# Altium PCB oxo.pcbdoc (part 3 of 3)
Units mm, origin at the board's own origin, x right, y up, seen from the top; angles counter-clockwise.
Board outline 198.24 x 185.82 mm, 6 copper layers (Top Layer, Inner1, Inner2, Inner3, 内层4, Bottom Layer); 54 components, 121 nets, 696 pads, 616 vias.
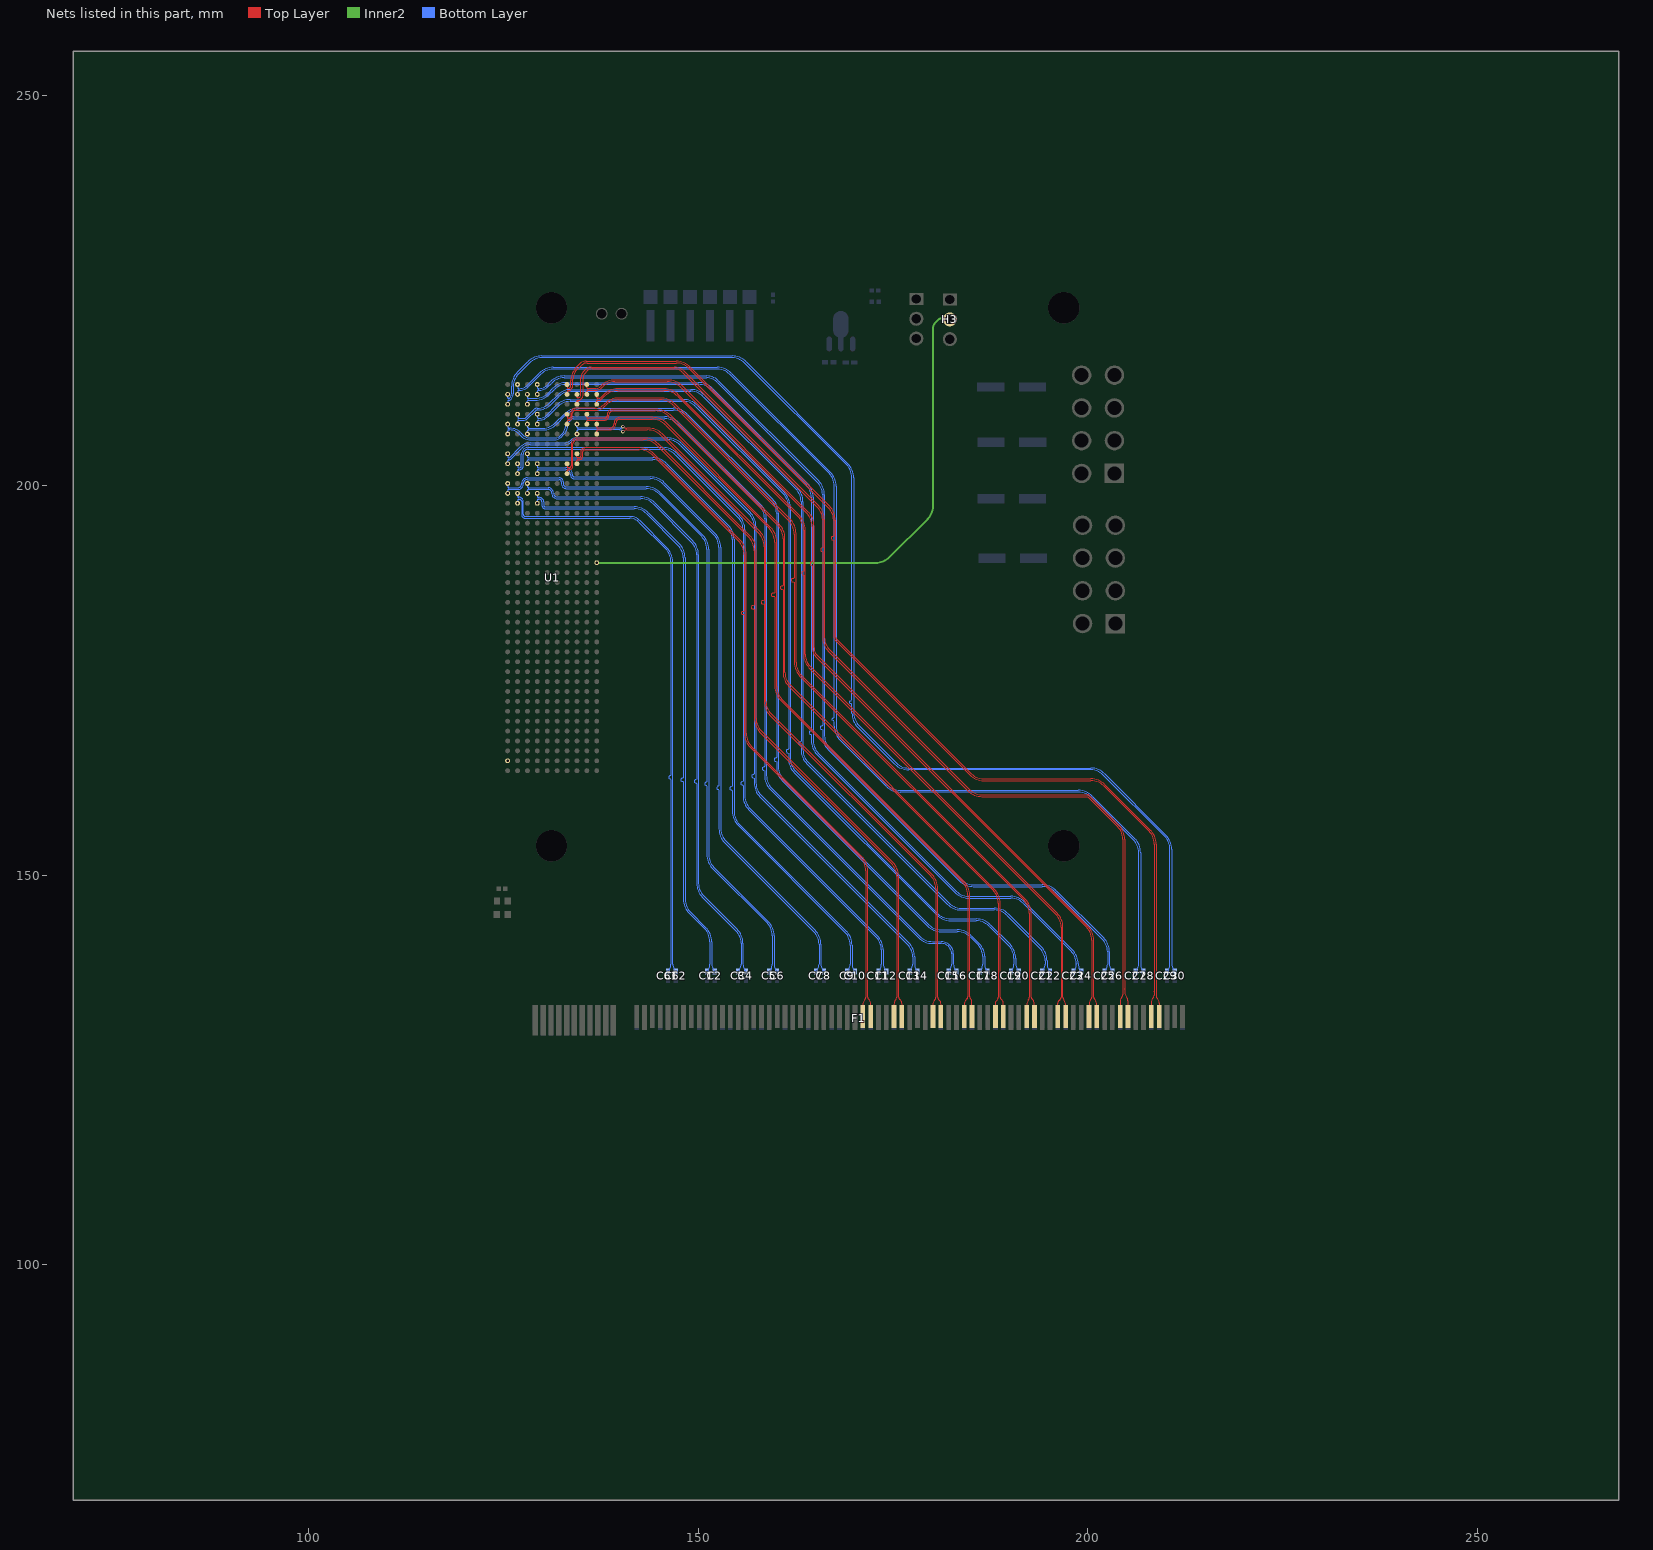
[diagram p7: the nets of this part, all layers, seen from the top]

## Via types
v1: diameter 0.45, hole 0.3, Top Layer to Bottom Layer, 616 vias

## Nets (pads, with @x,y where several pads share a name; then routed paths per layer and width w, separated by ;. In a path a pad name is that pad's centre, name@x,y a point inside that pad or via, vN(x,y) a via of type N, cw(c..) or ccw(c..) an arc to the next point about the centre after c; other vN are vias at no path point) (continued)
RX6+: F1.B41 U1.C9 | length 93.5
  Top Layer w0.132: U1.C9@134.462,202.762 134.462,203.121 cw(c134.621,203.121) 134.508,203.234 cw(c134.621,203.121) 134.621,203.28 134.744,203.28 ccw(c134.744,203.72) 135.184,203.72 135.184,204.266 cw(c135.463,204.266) 135.463,204.545 142.444,204.545 cw(c142.444,202.005) 144.24,203.801 155.181,192.86 cw(c153.385,191.064) 155.925,191.064 155.925,183.898 155.832,183.804 155.657,183.804 155.564,183.711 155.564,183.517 155.657,183.423 155.832,183.423 155.925,183.33 155.925,168.175 ccw(c158.465,168.175) 156.669,166.379 170.834,152.214 cw(c169.204,150.583) 171.51,150.583 171.51,134.348 cw(c171.042,134.348) 171.391,134.036 ccw(c172.224,133.291) 171.186,133.706 ccw(c172.139,133.325) F1.B41@171.119,133.216
RX6-: F1.B42 U1.C8 | length 93.4
  Top Layer w0.132: U1.C8@134.462,204.032 134.462,203.673 ccw(c134.621,203.673) 134.508,203.561 ccw(c134.621,203.673) 134.621,203.514 134.744,203.514 ccw(c134.744,203.72) 134.95,203.72 134.95,204.266 cw(c135.463,204.266) 135.463,204.779 142.541,204.779 cw(c142.541,202.239) 144.337,204.035 155.415,192.957 cw(c153.619,191.16) 156.159,191.16 156.159,168.175 ccw(c158.465,168.175) 156.835,166.544 171,152.379 cw(c169.204,150.583) 171.744,150.583 171.744,134.348 ccw(c172.092,134.348) 171.871,134.078 cw(c171.452,133.567) 172.089,133.745 cw(c170.477,133.294) F1.B42@172.151,133.295
RX7+: F1.B45 U1.D10 | length 100.5
  Top Layer w0.132: U1.D10@133.201,201.492 133.201,201.851 cw(c133.36,201.851) 133.248,201.964 cw(c133.36,201.851) 133.36,202.01 133.472,202.01 ccw(c133.472,202.477) 133.939,202.477 133.939,205.309 cw(c134.445,205.309) 134.445,205.815 142.97,205.815 cw(c142.97,203.275) 144.766,205.071 156.451,193.386 cw(c154.655,191.59) 157.195,191.59 157.195,184.631 157.102,184.537 156.889,184.537 156.796,184.444 156.796,184.25 156.889,184.156 157.102,184.156 157.195,184.063 157.195,170.146 ccw(c159.735,170.146) 157.939,168.35 174.796,151.494 cw(c173.165,149.863) 175.471,149.863 175.471,134.357 cw(c174.894,134.357) 175.337,133.987 ccw(c176.063,133.382) F1.B45@175.126,133.258
RX7-: F1.B46 U1.D9 | length 100.3
  Top Layer w0.132: U1.D9@133.192,202.762 133.192,202.419 ccw(c133.367,202.419) 133.243,202.295 ccw(c133.367,202.419) 133.367,202.244 133.472,202.244 ccw(c133.472,202.477) 133.705,202.477 133.705,205.309 cw(c134.445,205.309) 134.445,206.049 143.067,206.049 cw(c143.067,203.509) 144.863,205.305 156.685,193.483 cw(c154.889,191.687) 157.429,191.687 157.429,170.146 ccw(c159.735,170.146) 158.105,168.515 174.961,151.659 cw(c173.165,149.863) 175.705,149.863 175.705,134.357 ccw(c176.053,134.357) 175.812,134.106 ccw(c177.522,135.882) 175.93,133.999 cw(c175.539,133.535) 176.136,133.643 cw(c174.92,133.424) F1.B46@176.144,133.261
RX8+: F1.B50 U1.C6 | length 99.6
  Top Layer w0.132: v1(140.36,206.887) 140.366,206.892 cw(c140.843,206.415) 140.843,207.09 143.498,207.09 cw(c143.498,204.55) 145.294,206.346 157.726,193.914 cw(c155.93,192.118) 158.47,192.118 158.47,185.276 158.377,185.183 158.18,185.183 158.086,185.089 158.086,184.895 158.18,184.802 158.377,184.802 158.47,184.708 158.47,172.32 ccw(c161.01,172.32) 159.214,170.524 179.825,149.914 cw(c178.194,148.283) 180.5,148.283 180.5,134.341 cw(c180.041,134.341) 180.43,134.097 cw(c179.272,134.822) 180.291,133.912 ccw(c180.902,133.368) F1.B50@180.095,133.235
  Bottom Layer w0.132: v1(134.462,206.572) 134.462,206.931 cw(c134.621,206.931) 134.508,207.044 cw(c134.621,206.931) 134.621,207.09 139.927,207.09 ; 139.928,207.09 cw(c139.928,206.538) 140.319,206.928 v1(140.36,206.887)
RX8-: F1.B51 U1.C5 | length 99.6
  Top Layer w0.132: v1(140.36,207.527) 140.366,207.521 ccw(c140.843,207.998) 140.843,207.324 143.595,207.324 cw(c143.595,204.784) 145.391,206.58 157.96,194.011 cw(c156.164,192.215) 158.704,192.215 158.704,172.32 ccw(c161.01,172.32) 159.38,170.689 179.99,150.079 cw(c178.194,148.283) 180.734,148.283 180.734,134.341 ccw(c181.16,134.341) 180.858,134.039 ccw(c189.248,142.425) 181.018,133.883 cw(c180.739,133.595) 181.136,133.652 cw(c178.372,133.253) F1.B51@181.162,133.134
  Bottom Layer w0.132: v1(134.462,207.842) 134.462,207.483 ccw(c134.621,207.483) 134.508,207.371 ccw(c134.621,207.483) 134.621,207.324 140.024,207.324 ; 140.025,207.324 ccw(c140.025,207.642) 140.25,207.417 v1(140.36,207.527)
RX9+: F1.B54 U1.A6 | length 101.3
  Top Layer w0.132: U1.A6@137.002,206.577 137.002,206.933 cw(c137.161,206.933) 137.048,207.046 cw(c137.161,206.933) 137.161,207.093 138.636,207.093 ccw(c138.636,207.928) 139.471,207.928 139.471,207.973 cw(c139.96,207.973) 139.96,208.462 144.066,208.462 cw(c144.066,205.922) 145.862,207.718 159.098,194.482 cw(c157.302,192.686) 159.842,192.686 159.842,186.215 159.749,186.121 159.5,186.121 159.406,186.028 159.406,185.834 159.5,185.74 159.749,185.74 159.842,185.647 159.842,174.202 ccw(c162.382,174.202) 160.586,172.406 183.93,149.061 cw(c182.299,147.431) 184.606,147.431 184.606,134.366 cw(c184.331,134.366) 184.483,134.137 ccw(c184.865,133.563) 184.207,133.771 ccw(c185.534,133.351) F1.B54@184.149,133.214
RX9-: F1.B55 U1.A5 | length 101.4
  Top Layer w0.131: F1.B55@185.168,132.856 F1.B55@185.168,133.241
  Top Layer w0.132: U1.A5@137.002,207.842 137.002,207.486 ccw(c137.161,207.486) 137.048,207.373 ccw(c137.161,207.486) 137.161,207.326 138.636,207.326 ccw(c138.636,207.928) 139.238,207.928 139.238,207.973 cw(c139.96,207.973) 139.96,208.695 144.163,208.695 cw(c144.163,206.155) 145.959,207.951 159.332,194.579 cw(c157.536,192.783) 160.076,192.783 160.076,174.202 ccw(c162.382,174.202) 160.751,172.571 184.095,149.227 cw(c182.299,147.431) 184.839,147.431 184.839,134.366 ccw(c185.079,134.366) 184.915,134.191 cw(c184.521,133.772) 185.09,133.854 cw(c179.746,133.086) F1.B55@185.144,133.181
RX10+: F1.B58 U1.B5 | length 105.3
  Top Layer w0.132: U1.B5@135.732,207.842 135.732,208.201 cw(c135.891,208.201) 135.778,208.314 cw(c135.891,208.201) 135.891,208.36 138.003,208.36 ccw(c138.003,208.919) 138.562,208.919 138.562,208.968 cw(c139.117,208.968) 139.117,209.523 144.506,209.523 cw(c144.506,206.983) 146.302,208.779 160.16,194.922 cw(c158.364,193.126) 160.904,193.126 160.904,187.153 160.81,187.06 160.643,187.06 160.55,186.967 160.55,186.772 160.643,186.679 160.81,186.679 160.904,186.586 160.904,176.021 ccw(c163.444,176.021) 161.648,174.225 187.833,148.039 cw(c186.202,146.409) 188.509,146.409 188.509,134.319 cw(c188.099,134.319) 188.424,134.07 cw(c184.425,137.128) 188.254,133.859 ccw(c188.778,133.412) F1.B58@188.132,133.171
RX10-: F1.B59 U1.B4 | length 105.1
  Top Layer w0.132: U1.B4@135.732,209.112 135.732,208.753 ccw(c135.891,208.753) 135.778,208.641 ccw(c135.891,208.753) 135.891,208.594 138.003,208.594 ccw(c138.003,208.919) 138.328,208.919 138.328,208.968 cw(c139.117,208.968) 139.117,209.757 144.603,209.757 cw(c144.603,207.217) 146.399,209.013 160.393,195.019 cw(c158.597,193.223) 161.137,193.223 161.137,176.021 ccw(c163.444,176.021) 161.813,174.39 187.998,148.205 cw(c186.202,146.409) 188.742,146.409 188.742,134.319 ccw(c189.015,134.319) 188.832,134.117 cw(c187.716,132.876) 189.02,133.917 cw(c188.564,133.553) 189.148,133.561 cw(c183.809,133.488) F1.B59@189.142,133.228
RX11+: F1.B62 U1.D5 | length 111.9
  Top Layer w0.132: U1.D5@133.192,207.842 133.192,208.201 cw(c133.351,208.201) 133.238,208.314 cw(c133.351,208.201) 133.351,208.36 133.463,208.36 ccw(c133.463,208.786) 133.888,208.786 133.888,209.247 cw(c134.266,209.247) 134.266,209.625 136.825,209.625 ccw(c136.825,211.34) 138.038,210.127 138.181,210.27 cw(c139.812,208.639) 139.812,210.946 145.095,210.946 cw(c145.095,208.406) 146.891,210.202 161.582,195.511 cw(c159.786,193.715) 162.326,193.715 162.326,188.121 162.233,188.028 162.022,188.028 161.929,187.934 161.929,187.74 162.022,187.647 162.233,187.647 162.326,187.553 162.326,177.285 ccw(c164.866,177.285) 163.07,175.489 191.807,146.752 cw(c190.176,145.122) 192.482,145.122 192.482,134.362 cw(c191.861,134.362) 192.359,133.991 ccw(c193.342,133.261) F1.B62@192.119,133.196
RX11-: F1.B63 U1.D4 | length 111.8
  Top Layer w0.132: U1.D4@133.192,209.112 133.192,208.753 ccw(c133.351,208.753) 133.238,208.641 ccw(c133.351,208.753) 133.351,208.594 133.463,208.594 ccw(c133.463,208.786) 133.655,208.786 133.655,209.247 cw(c134.266,209.247) 134.266,209.859 136.825,209.859 ccw(c136.825,211.34) 137.873,210.293 138.016,210.435 cw(c139.812,208.639) 139.812,211.179 145.192,211.179 cw(c145.192,208.639) 146.988,210.435 161.816,195.608 cw(c160.02,193.812) 162.56,193.812 162.56,177.285 ccw(c164.866,177.285) 163.235,175.654 191.972,146.918 cw(c190.176,145.122) 192.716,145.122 192.716,134.362 ccw(c193.103,134.362) 192.892,134.038 cw(c192.688,133.725) 193.048,133.824 cw(c191.274,133.338) F1.B63@193.1,133.118
RX12+: F1.B66 U1.A3 | length 110.1
  Top Layer w0.132: U1.A3@137.002,210.382 137.002,210.741 cw(c137.161,210.741) 137.048,210.854 cw(c137.161,210.741) 137.161,210.9 137.251,210.9 ccw(c137.251,211.479) 137.66,211.07 138.054,211.464 cw(c139.685,209.833) 139.685,212.14 145.59,212.14 cw(c145.59,209.6) 147.386,211.396 162.776,196.006 cw(c160.98,194.209) 163.52,194.209 163.52,189.001 163.427,188.908 163.359,188.908 163.266,188.814 163.266,188.62 163.359,188.527 163.427,188.527 163.52,188.433 163.52,178.308 ccw(c165.911,178.308) 164.22,176.618 195.884,144.954 cw(c194.253,143.323) 196.56,143.323 196.56,134.336 cw(c196.175,134.336) 196.497,134.125 cw(c195.901,134.516) 196.391,133.999 ccw(c196.636,133.692) 196.359,133.97 cw(c195.901,134.516) 196.331,133.948 ccw(c196.645,133.533) 196.124,133.539 cw(c191.528,133.593) F1.B66@196.109,133.213
RX12-: F1.B67 U1.A2 | length 110.1
  Top Layer w0.132: U1.A2@137.002,211.652 137.002,211.293 ccw(c137.161,211.293) 137.048,211.181 ccw(c137.161,211.293) 137.161,211.134 137.251,211.134 ccw(c137.251,211.479) 137.495,211.235 137.889,211.629 cw(c139.685,209.833) 139.685,212.373 145.687,212.373 cw(c145.687,209.833) 147.483,211.629 163.01,196.102 cw(c161.214,194.306) 163.754,194.306 163.754,178.308 ccw(c165.911,178.308) 164.386,176.783 196.049,145.119 cw(c194.253,143.323) 196.793,143.323 196.793,134.336 ccw(c197.185,134.336) 196.874,134.098 cw(c195.784,133.262) F1.B67@197.158,133.256
RX13+: F1.B70 U1.B2 | length 114.3
  Top Layer w0.132: U1.B2@135.732,211.652 135.732,212.011 cw(c135.891,212.011) 135.778,212.124 cw(c135.891,212.011) 135.891,212.17 136.854,212.17 ccw(c136.854,213.279) 137.638,212.495 137.746,212.603 cw(c139.324,211.025) 139.324,213.257 146.053,213.257 cw(c146.053,210.717) 147.849,212.513 163.894,196.468 cw(c162.098,194.672) 164.638,194.672 164.638,190.233 164.544,190.14 164.477,190.14 164.384,190.046 164.384,189.852 164.477,189.759 164.544,189.759 164.638,189.665 164.638,179.127 ccw(c166.211,179.127) 165.098,178.015 199.83,143.283 cw(c198.199,141.652) 200.506,141.652 200.506,134.356 cw(c200.14,134.356) 200.411,134.11 ccw(c201.179,133.412) F1.B70@200.156,133.236
RX13-: F1.B71 U1.B1 | length 114.4
  Top Layer w0.132: U1.B1@135.732,212.922 135.732,212.563 ccw(c135.891,212.563) 135.778,212.451 ccw(c135.891,212.563) 135.891,212.404 136.854,212.404 ccw(c136.854,213.279) 137.472,212.66 137.581,212.769 cw(c139.324,211.025) 139.324,213.491 146.15,213.491 cw(c146.15,210.951) 147.946,212.747 164.127,196.565 cw(c162.331,194.769) 164.871,194.769 164.871,179.127 ccw(c166.211,179.127) 165.264,178.18 199.995,143.448 cw(c198.199,141.652) 200.739,141.652 200.739,134.356 ccw(c201.048,134.356) 200.814,134.155 cw(c199.848,133.324) F1.B71@201.117,133.209
RX14+: F1.B74 U1.C3 | length 131.8
  Top Layer w0.132: U1.C3@134.462,210.382 134.462,210.704 cw(c134.618,210.704) 134.618,210.86 ccw(c134.618,211.275) 134.911,210.981 135.084,211.154 ccw(c134.68,211.557) 135.251,211.557 135.251,213.7 cw(c136.324,213.7) 135.565,214.459 135.738,214.632 cw(c136.407,213.963) 136.407,214.909 136.733,214.909 ccw(c136.733,214.924) 136.743,214.914 cw(c136.754,214.903) 136.754,214.918 146.972,214.918 cw(c146.972,213.511) 147.967,214.506 165.29,197.182 cw(c163.659,195.552) 165.966,195.552 165.966,192.01 165.872,191.917 165.805,191.917 165.712,191.823 165.712,191.629 165.805,191.536 165.872,191.536 165.966,191.442 165.966,180.52 ccw(c168.506,180.52) 166.71,178.724 184.614,160.819 ccw(c186.41,162.615) 186.41,160.075 199.953,160.075 203.802,156.227 cw(c202.171,154.596) 204.477,154.596 204.477,135.314 ccw(c204.493,135.314) 204.482,135.303 cw(c204.47,135.292) 204.486,135.292 204.486,135.175 cw(c204.466,135.175) 204.48,135.16 ccw(c204.495,135.145) 204.474,135.145 204.474,134.65 cw(c203.997,134.65) 204.334,134.312 ccw(c204.814,133.833) 204.136,133.833 F1.B74@204.136,131.858
RX14-: F1.B75 U1.C2 | length 131.8
  Top Layer w0.132: U1.C2@134.462,211.652 134.462,211.349 ccw(c134.607,211.349) 134.607,211.204 ccw(c134.607,211.463) 134.791,211.28 134.822,211.311 ccw(c134.433,211.701) 134.983,211.701 134.983,213.816 cw(c135.996,213.816) 135.28,214.532 135.618,214.87 cw(c136.318,214.169) 136.318,215.16 136.733,215.16 cw(c136.733,215.146) 136.743,215.156 ccw(c136.754,215.166) 136.754,215.152 146.972,215.152 cw(c146.972,213.511) 148.132,214.671 165.456,197.348 cw(c163.659,195.552) 166.199,195.552 166.199,180.52 ccw(c168.506,180.52) 166.875,178.889 184.78,160.985 ccw(c186.41,162.615) 186.41,160.309 199.976,160.309 cw(c199.976,160.131) 200.102,160.257 203.967,156.392 cw(c202.171,154.596) 204.711,154.596 204.711,135.411 ccw(c204.727,135.411) 204.715,135.4 cw(c204.704,135.389) 204.72,135.389 204.72,135.175 ccw(c204.741,135.175) 204.726,135.16 cw(c204.711,135.145) 204.732,135.145 204.732,134.888 ccw(c205.576,134.888) 204.98,134.291 cw(c204.602,133.914) 205.136,133.914 F1.B75@205.136,131.858
RX15+: F1.B78 U1.D2 | length 135.7
  Top Layer w0.132: U1.D2@133.192,211.652 133.192,211.927 cw(c133.39,211.927) 133.39,212.125 133.411,212.125 133.427,212.141 133.433,212.135 ccw(c133.433,212.358) 133.59,212.201 133.818,212.429 ccw(c133.49,212.758) 133.955,212.758 133.955,213.619 cw(c135.633,213.619) 133.988,213.952 cw(c136.224,213.385) 134.205,214.501 cw(c135.633,213.619) 134.446,214.806 134.987,215.346 cw(c135.765,214.567) 135.765,215.669 136.599,215.669 ccw(c136.599,215.677) 136.605,215.671 cw(c136.611,215.665) 136.611,215.674 147.194,215.674 cw(c147.194,213.367) 148.825,214.998 166.699,197.124 cw(c165.068,195.493) 167.374,195.493 167.374,193.51 167.281,193.417 167.16,193.417 167.067,193.323 167.067,193.129 167.16,193.036 167.281,193.036 167.374,192.942 167.374,180.676 ccw(c168.23,180.676) 167.625,180.071 184.846,162.85 ccw(c186.642,164.646) 186.642,162.106 200.388,162.106 cw(c200.388,159.8) 202.019,161.431 207.836,155.613 cw(c206.205,153.982) 208.512,153.982 208.512,135.087 cw(c208.488,135.087) 208.505,135.071 ccw(c208.521,135.054) 208.498,135.054 208.498,134.608 cw(c207.911,134.608) 208.326,134.193 ccw(c208.786,133.734) 208.136,133.734 F1.B78@208.136,131.858
RX15-: F1.B79 U1.D1 | length 135.7
  Top Layer w0.132: U1.D1@133.192,212.922 133.192,212.631 ccw(c133.39,212.631) 133.39,212.433 ccw(c133.39,212.653) 133.545,212.497 133.592,212.545 ccw(c133.372,212.765) 133.684,212.765 133.684,213.385 cw(c136.224,213.385) 134.428,215.181 134.423,215.186 134.796,215.559 134.8,215.554 cw(c135.666,214.689) 135.666,215.912 136.599,215.912 cw(c136.599,215.904) 136.605,215.91 ccw(c136.611,215.916) 136.611,215.907 147.194,215.907 cw(c147.194,213.367) 148.99,215.163 166.864,197.289 cw(c165.068,195.493) 167.608,195.493 167.608,180.676 ccw(c168.23,180.676) 167.79,180.236 185.011,163.016 ccw(c186.642,164.646) 186.642,162.34 200.388,162.34 cw(c200.388,159.8) 202.184,161.596 208.001,155.778 cw(c206.205,153.982) 208.745,153.982 208.745,134.993 cw(c208.709,134.993) 208.735,134.967 208.735,134.548 ccw(c209.175,134.548) 208.864,134.236 cw(c208.207,133.579) 209.136,133.579 F1.B79@209.136,131.858
SXM_PRSNT2: U1.K39
  other v1: 125.572,164.662
THERM_OVER#: H3.2 U1.A19 | length 72.3
  Inner2 w0.254: v1@136.967,190.02 172.739,190.02 ccw(c172.739,192.56) 174.535,190.764 179.429,195.658 ccw(c177.759,197.328) 180.121,197.328 180.121,220.136 cw(c181.129,220.136) 180.416,220.849 180.773,221.206 cw(c181.214,220.765) 181.214,221.388 H3.2@182.391,221.388
  other v1: 137.002,190.062
TX0+: C61.2 U1.J13 | length 77.9
  Bottom Layer w0.132: v1(126.842,197.682) 126.842,198.041 cw(c127.001,198.041) 126.888,198.154 cw(c127.001,198.041) 127.001,198.2 127.114,198.2 cw(c127.114,197.958) 127.356,197.958 127.356,196.264 ccw(c127.865,196.264) 127.865,195.755 141.249,195.755 cw(c141.249,194.137) 142.393,195.281 145.847,191.827 cw(c144.216,190.197) 146.522,190.197 146.522,162.824 146.429,162.731 146.362,162.731 146.268,162.637 146.268,162.443 146.362,162.35 146.429,162.35 146.522,162.256 146.522,138.583 cw(c145.206,138.583) C61.2@146.137,137.652
TX0-: C62.2 U1.J12 | length 78
  Bottom Layer w0.131: v1(126.842,198.952) cw(c126.842,198.928) v1@126.859,198.945
  Bottom Layer w0.132: v1(126.842,198.952) 126.842,198.593 ccw(c127.001,198.593) 126.888,198.481 ccw(c127.001,198.593) 127.001,198.434 127.114,198.434 cw(c127.114,197.958) 127.59,197.958 127.59,196.264 ccw(c127.865,196.264) 127.865,195.989 141.249,195.989 cw(c141.249,194.137) 142.558,195.447 146.012,191.993 cw(c144.216,190.197) 146.756,190.197 146.756,138.583 ccw(c148.073,138.583) C62.2@147.142,137.652
TX1+: C1.2 U1.G13 | length 77.7
  Bottom Layer w0.132: v1(129.382,197.682) 129.382,198.041 cw(c129.541,198.041) 129.428,198.154 cw(c129.541,198.041) 129.541,198.2 129.656,198.2 cw(c129.656,197.889) 129.968,197.889 129.968,197.416 ccw(c130.39,197.416) 130.39,196.994 141.795,196.994 cw(c141.795,194.687) 143.426,196.318 147.421,192.323 cw(c145.79,190.693) 148.096,190.693 148.096,162.511 148.003,162.417 147.9,162.417 147.807,162.324 147.807,162.13 147.9,162.036 148.003,162.036 148.096,161.943 148.096,146.912 ccw(c150.636,146.912) 148.84,145.116 150.845,143.111 cw(c149.214,141.48) 151.521,141.48 151.521,138.576 cw(c150.215,138.576) C1.2@151.138,137.652
TX1-: C2.2 U1.G12 | length 77.7
  Bottom Layer w0.132: v1(129.382,198.952) 129.382,198.593 ccw(c129.541,198.593) 129.428,198.481 ccw(c129.541,198.593) 129.541,198.434 129.656,198.434 cw(c129.656,197.889) 130.201,197.889 130.201,197.416 ccw(c130.39,197.416) 130.39,197.227 141.795,197.227 cw(c141.795,194.687) 143.591,196.484 147.586,192.489 cw(c145.79,190.693) 148.33,190.693 148.33,146.912 ccw(c150.636,146.912) 149.005,145.281 151.01,143.276 cw(c149.214,141.48) 151.754,141.48 151.754,138.576 ccw(c153.06,138.576) C2.2@152.137,137.652
TX2+: C3.2 U1.H12 | length 82.3
  Bottom Layer w0.132: v1(128.112,198.952) 128.112,199.311 cw(c128.271,199.311) 128.158,199.424 cw(c128.271,199.311) 128.271,199.47 130.758,199.47 cw(c130.758,199.005) 131.224,199.005 131.224,198.956 ccw(c131.904,198.956) 131.904,198.276 142.62,198.276 cw(c142.62,195.97) 144.25,197.601 149.137,192.714 cw(c147.506,191.083) 149.813,191.083 149.813,162.302 149.719,162.209 149.611,162.209 149.518,162.115 149.518,161.921 149.611,161.828 149.719,161.828 149.813,161.734 149.813,148.966 ccw(c152.353,148.966) 150.557,147.17 154.845,142.882 cw(c153.214,141.251) 155.52,141.251 155.52,138.577 cw(c154.213,138.577) C3.2@155.137,137.652
TX2-: C4.2 U1.H11 | length 82.2
  Bottom Layer w0.132: v1(128.112,200.222) 128.112,199.863 ccw(c128.271,199.863) 128.158,199.751 ccw(c128.271,199.863) 128.271,199.704 130.758,199.704 cw(c130.758,199.005) 131.458,199.005 131.458,198.956 ccw(c131.904,198.956) 131.904,198.51 142.62,198.51 cw(c142.62,195.97) 144.416,197.766 149.302,192.879 cw(c147.506,191.083) 150.046,191.083 150.046,148.966 ccw(c152.353,148.966) 150.722,147.335 155.01,143.047 cw(c153.214,141.251) 155.754,141.251 155.754,138.577 ccw(c157.061,138.577) C4.2@156.137,137.652
TX3+: C5.2 U1.K12 | length 88.9
  Bottom Layer w0.132: v1(125.572,198.952) 125.572,199.311 cw(c125.731,199.311) 125.618,199.424 cw(c125.731,199.311) 125.731,199.47 126.947,199.47 ccw(c126.947,200.111) 127.588,200.111 127.588,200.233 cw(c128.062,200.233) 128.062,200.707 132.218,200.707 cw(c132.218,200.451) 132.473,200.451 132.473,200.221 ccw(c133.137,200.221) 133.137,199.557 143.367,199.557 cw(c143.367,197.25) 144.998,198.881 150.453,193.426 cw(c148.822,191.795) 151.129,191.795 151.129,161.987 151.035,161.893 150.955,161.893 150.861,161.8 150.861,161.606 150.955,161.512 151.035,161.512 151.129,161.419 151.129,152.636 ccw(c153.669,152.636) 151.873,150.84 158.844,143.868 cw(c157.214,142.237) 159.52,142.237 159.52,138.577 cw(c158.212,138.577) C5.2@159.137,137.652
TX3-: C6.2 U1.K11 | length 89
  Bottom Layer w0.132: v1(125.572,200.222) 125.572,199.863 ccw(c125.731,199.863) 125.618,199.751 ccw(c125.731,199.863) 125.731,199.704 126.947,199.704 ccw(c126.947,200.111) 127.354,200.111 127.354,200.233 cw(c128.062,200.233) 128.062,200.94 132.218,200.94 cw(c132.218,200.451) 132.707,200.451 132.707,200.221 ccw(c133.137,200.221) 133.137,199.79 143.367,199.79 cw(c143.367,197.25) 145.163,199.046 150.618,193.591 cw(c148.822,191.795) 151.362,191.795 151.362,152.636 ccw(c153.669,152.636) 152.038,151.005 159.01,144.033 cw(c157.214,142.237) 159.754,142.237 159.754,138.577 ccw(c161.061,138.577) C6.2@160.137,137.652
TX4+: C7.2 U1.G10 | length 88.4
  Bottom Layer w0.132: v1(129.382,201.492) 129.382,201.851 cw(c129.541,201.851) 129.428,201.964 cw(c129.541,201.851) 129.541,202.01 133.041,202.01 cw(c133.041,201.415) 133.636,201.415 133.636,201.367 ccw(c134.179,201.367) 134.179,200.824 143.895,200.824 cw(c143.895,198.517) 145.526,200.148 151.997,193.677 cw(c150.366,192.046) 152.673,192.046 152.673,161.46 152.579,161.366 152.473,161.366 152.379,161.273 152.379,161.079 152.473,160.985 152.579,160.985 152.673,160.892 152.673,155.95 ccw(c155.213,155.95) 153.417,154.154 164.84,142.731 cw(c163.209,141.1) 165.516,141.1 165.516,138.577 cw(c164.208,138.577) C7.2@165.132,137.652
TX4-: C8.2 U1.G9 | length 88.4
  Bottom Layer w0.132: v1(129.382,202.762) 129.382,202.403 ccw(c129.541,202.403) 129.428,202.291 ccw(c129.541,202.403) 129.541,202.244 133.041,202.244 cw(c133.041,201.415) 133.87,201.415 133.87,201.367 ccw(c134.179,201.367) 134.179,201.057 143.895,201.057 cw(c143.895,198.517) 145.691,200.313 152.162,193.842 cw(c150.366,192.046) 152.906,192.046 152.906,155.95 ccw(c155.213,155.95) 153.582,154.319 165.005,142.896 cw(c163.209,141.1) 165.749,141.1 165.749,138.577 ccw(c167.057,138.577) C8.2@166.132,137.652
TX5+: C9.2 U1.H9 | length 93.3
  Bottom Layer w0.132: v1(128.112,202.762) 128.112,203.121 cw(c128.271,203.121) 128.158,203.234 cw(c128.271,203.121) 128.271,203.28 144.188,203.28 cw(c144.188,200.974) 145.819,202.605 153.701,194.722 cw(c152.071,193.091) 154.377,193.091 154.377,161.408 154.284,161.314 154.169,161.314 154.076,161.221 154.076,161.027 154.169,160.933 154.284,160.933 154.377,160.84 154.377,158.181 ccw(c156.917,158.181) 155.121,156.385 168.842,142.665 cw(c167.211,141.034) 169.517,141.034 169.517,138.571 cw(c168.218,138.571) C9.2@169.137,137.652
TX5-: C10.2 U1.H8 | length 93.3
  Bottom Layer w0.132: v1(128.112,204.032) 128.112,203.673 ccw(c128.271,203.673) 128.158,203.561 ccw(c128.271,203.673) 128.271,203.514 144.188,203.514 cw(c144.188,200.974) 145.984,202.77 153.867,194.887 cw(c152.071,193.091) 154.611,193.091 154.611,158.181 ccw(c156.917,158.181) 155.286,156.55 169.007,142.83 cw(c167.211,141.034) 169.751,141.034 169.751,138.571 ccw(c171.05,138.571) C10.2@170.131,137.652
TX6+: C11.2 U1.J10 | length 100.4
  Bottom Layer w0.132: v1(126.842,201.492) 126.842,201.851 cw(c127.001,201.851) 126.888,201.964 cw(c127.001,201.851) 127.001,202.01 127.113,202.01 ccw(c127.113,202.471) 127.573,202.471 127.573,203.981 cw(c128.205,203.981) 128.205,204.613 145.446,204.613 cw(c145.446,202.307) 147.076,203.938 155.093,195.921 cw(c153.462,194.291) 155.768,194.291 155.768,162.033 155.675,161.94 155.59,161.94 155.497,161.847 155.497,161.652 155.59,161.559 155.675,161.559 155.768,161.466 155.768,160.158 ccw(c158.308,160.158) 156.512,158.362 172.844,142.03 cw(c171.213,140.399) 173.52,140.399 173.52,138.577 cw(c172.212,138.577) C11.2@173.137,137.652
TX6-: C12.2 U1.J9 | length 100.4
  Bottom Layer w0.132: v1(126.842,202.762) 126.842,202.403 ccw(c127.001,202.403) 126.888,202.291 ccw(c127.001,202.403) 127.001,202.244 127.113,202.244 ccw(c127.113,202.471) 127.34,202.471 127.34,203.981 cw(c128.205,203.981) 128.205,204.847 145.446,204.847 cw(c145.446,202.307) 147.242,204.103 155.258,196.087 cw(c153.462,194.291) 156.002,194.291 156.002,160.158 ccw(c158.308,160.158) 156.677,158.527 173.009,142.195 cw(c171.213,140.399) 173.753,140.399 173.753,138.577 ccw(c175.062,138.577) C12.2@174.137,137.652
TX7+: C13.2 U1.K9 | length 103.7
  Bottom Layer w0.132: v1(125.572,202.762) 125.572,203.121 cw(c125.731,203.121) 125.618,203.234 cw(c125.731,203.121) 125.731,203.28 125.755,203.28 ccw(c125.755,203.641) 126.009,203.386 127.37,204.746 cw(c128.453,203.663) 128.453,205.195 132.825,205.195 ccw(c132.825,206.589) 133.811,205.603 133.828,205.62 cw(c134.324,205.124) 134.324,205.825 146.092,205.825 cw(c146.092,203.519) 147.723,205.15 156.515,196.358 cw(c154.884,194.727) 157.19,194.727 157.19,162.972 157.097,162.879 156.985,162.879 156.892,162.785 156.892,162.591 156.985,162.498 157.097,162.498 157.19,162.404 157.19,161.849 ccw(c159.73,161.849) 157.934,160.053 176.848,141.139 cw(c175.217,139.508) 177.523,139.508 177.523,138.577 cw(c176.215,138.577) C13.2@177.14,137.652
TX7-: C14.2 U1.K8 | length 103.7
  Bottom Layer w0.132: v1(125.572,204.032) 125.572,203.673 ccw(c125.731,203.673) 125.618,203.561 ccw(c125.731,203.673) 125.731,203.514 125.755,203.514 ccw(c125.755,203.641) 125.844,203.551 127.204,204.911 cw(c128.453,203.663) 128.453,205.428 132.825,205.428 ccw(c132.825,206.589) 133.646,205.768 133.663,205.785 cw(c134.324,205.124) 134.324,206.059 146.092,206.059 cw(c146.092,203.519) 147.888,205.315 156.68,196.523 cw(c154.884,194.727) 157.424,194.727 157.424,161.849 ccw(c159.73,161.849) 158.099,160.218 177.013,141.304 cw(c175.217,139.508) 177.757,139.508 177.757,138.577 ccw(c179.065,138.577) C14.2@178.14,137.652
TX8+: C15.2 U1.K6 | length 110.7
  Bottom Layer w0.132: v1(125.572,206.572) 125.572,206.931 cw(c125.731,206.931) 125.618,207.044 cw(c125.731,206.931) 125.731,207.09 125.853,207.09 cw(c125.853,205.427) 127.029,206.603 127.317,206.315 ccw(c128.492,207.49) 128.492,205.828 131.601,205.828 ccw(c131.601,207.045) 132.461,206.185 132.792,206.516 ccw(c131.638,207.67) 133.271,207.67 133.271,207.692 cw(c133.895,207.692) 133.453,208.133 133.778,208.458 cw(c133.967,208.269) 133.967,208.536 145.72,208.536 cw(c145.72,206.23) 147.351,207.861 157.853,197.359 cw(c156.222,195.729) 158.528,195.729 158.528,163.95 158.435,163.856 158.341,163.856 158.248,163.763 158.248,163.569 158.341,163.475 158.435,163.475 158.528,163.382 158.528,162.779 ccw(c161.068,162.779) 159.272,160.983 178.275,141.981 ccw(c180.071,143.777) 180.071,141.237 181.176,141.237 cw(c181.176,139.893) 182.52,139.893 182.52,138.577 cw(c181.212,138.577) C15.2@182.137,137.652
TX8-: C16.2 U1.K5 | length 110.7
  Bottom Layer w0.132: v1(125.572,207.842) 125.572,207.483 ccw(c125.731,207.483) 125.618,207.371 ccw(c125.731,207.483) 125.731,207.324 125.853,207.324 cw(c125.853,205.427) 127.194,206.768 127.482,206.48 ccw(c128.492,207.49) 128.492,206.062 131.601,206.062 ccw(c131.601,207.045) 132.296,206.35 132.627,206.681 ccw(c131.638,207.67) 133.037,207.67 133.037,207.692 cw(c133.895,207.692) 133.288,208.299 133.613,208.623 cw(c133.967,208.269) 133.967,208.77 145.72,208.77 cw(c145.72,206.23) 147.516,208.026 158.018,197.525 cw(c156.222,195.729) 158.762,195.729 158.762,162.779 ccw(c161.068,162.779) 159.437,161.149 178.44,142.146 ccw(c180.071,143.777) 180.071,141.47 181.176,141.47 cw(c181.176,139.893) 182.753,139.893 182.753,138.577 ccw(c184.062,138.577) C16.2@183.137,137.652
TX9+: C17.2 U1.H6 | length 111.2
  Bottom Layer w0.132: v1(128.112,206.572) 128.112,206.931 cw(c128.271,206.931) 128.158,207.044 cw(c128.271,206.931) 128.271,207.09 130.064,207.09 ccw(c130.064,209.63) 131.86,207.834 132.977,208.951 cw(c134.608,207.321) 134.608,209.627 146.838,209.627 cw(c146.838,207.321) 148.469,208.951 159.384,198.036 cw(c157.753,196.405) 160.06,196.405 160.06,165.084 159.966,164.991 159.853,164.991 159.76,164.897 159.76,164.703 159.853,164.61 159.966,164.61 160.06,164.516 160.06,163.89 ccw(c162.6,163.89) 160.804,162.094 179.41,143.488 ccw(c181.206,145.284) 181.206,142.744 183.249,142.744 cw(c183.249,140.438) 184.88,142.069 185.913,141.036 cw(c184.453,139.577) 186.517,139.577 186.517,138.577 cw(c185.209,138.577) C17.2@186.134,137.652
TX9-: C18.2 U1.H5 | length 111.2
  Bottom Layer w0.132: v1(128.112,207.842) 128.112,207.483 ccw(c128.271,207.483) 128.158,207.371 ccw(c128.271,207.483) 128.271,207.324 130.064,207.324 ccw(c130.064,209.63) 131.695,208 132.812,209.117 cw(c134.608,207.321) 134.608,209.861 146.838,209.861 cw(c146.838,207.321) 148.634,209.117 159.55,198.201 cw(c157.753,196.405) 160.293,196.405 160.293,163.89 ccw(c162.6,163.89) 160.969,162.26 179.575,143.654 ccw(c181.206,145.284) 181.206,142.978 183.249,142.978 cw(c183.249,140.438) 185.045,142.234 186.078,141.202 cw(c184.453,139.577) 186.751,139.577 186.751,138.577 ccw(c188.059,138.577) C18.2@187.134,137.652
TX10+: C19.2 U1.G5 | length 114.2
  Bottom Layer w0.132: v1(129.382,207.842) 129.382,208.205 cw(c129.541,208.205) 129.428,208.317 cw(c129.541,208.205) 129.541,208.364 129.631,208.364 ccw(c129.631,209.96) 130.76,208.831 132.005,210.077 cw(c133.636,208.446) 133.636,210.752 148.095,210.752 cw(c148.095,208.446) 149.726,210.077 160.922,198.88 cw(c159.291,197.25) 161.597,197.25 161.597,166.179 161.504,166.086 161.378,166.086 161.285,165.992 161.285,165.798 161.378,165.705 161.504,165.705 161.597,165.611 161.597,164.93 ccw(c164.137,164.93) 162.341,163.133 180.588,144.887 ccw(c182.384,146.683) 182.384,144.143 185.685,144.143 cw(c185.685,141.837) 187.316,143.467 189.841,140.942 cw(c188.21,139.311) 190.516,139.311 190.516,138.577 cw(c189.208,138.577) C19.2@190.133,137.652
TX10-: C20.2 U1.G4 | length 114.2
  Bottom Layer w0.132: v1(129.377,209.119) 129.377,208.765 ccw(c129.544,208.765) 129.426,208.647 ccw(c129.544,208.765) 129.544,208.598 129.631,208.598 ccw(c129.631,209.96) 130.595,208.997 131.84,210.242 cw(c133.636,208.446) 133.636,210.986 148.095,210.986 cw(c148.095,208.446) 149.891,210.242 161.087,199.046 cw(c159.291,197.25) 161.831,197.25 161.831,164.93 ccw(c164.137,164.93) 162.507,163.299 180.753,145.052 ccw(c182.384,146.683) 182.384,144.377 185.685,144.377 cw(c185.685,141.837) 187.481,143.633 190.006,141.107 cw(c188.21,139.311) 190.75,139.311 190.75,138.577 ccw(c192.058,138.577) C20.2@191.133,137.652
TX11+: C21.2 U1.J5 | length 121.2
  Bottom Layer w0.132: v1(126.842,207.842) 126.842,208.201 cw(c127.001,208.201) 126.888,208.314 cw(c127.001,208.201) 127.001,208.36 127.72,208.36 ccw(c127.72,208.928) 128.122,208.527 129.165,209.57 cw(c129.361,209.374) 129.361,209.651 129.384,209.651 ccw(c129.384,212.179) 131.171,210.391 132.213,211.434 cw(c133.688,209.959) 133.688,212.044 149.058,212.044 cw(c149.058,209.738) 150.688,211.369 162.537,199.52 cw(c160.906,197.89) 163.212,197.89 163.212,167.183 163.119,167.089 163.008,167.089 162.914,166.996 162.914,166.802 163.008,166.708 163.119,166.708 163.212,166.615 163.212,166.08 ccw(c165.752,166.08) 163.956,164.284 181.97,146.27 ccw(c183.766,148.066) 183.766,145.526 187.981,145.526 cw(c187.981,143.22) 189.612,144.851 193.842,140.62 cw(c192.211,138.99) 194.518,138.99 194.518,138.582 cw(c193.203,138.582) C21.2@194.133,137.652
TX11-: C22.2 U1.J4 | length 121.2
  Bottom Layer w0.132: v1(126.842,209.112) 126.842,208.753 ccw(c127.001,208.753) 126.888,208.641 ccw(c127.001,208.753) 127.001,208.594 127.72,208.594 ccw(c127.72,208.928) 127.957,208.692 129,209.735 cw(c129.361,209.374) 129.361,209.885 129.384,209.885 ccw(c129.384,212.179) 131.006,210.557 132.048,211.599 cw(c133.688,209.959) 133.688,212.278 149.058,212.278 cw(c149.058,209.738) 150.854,211.534 162.702,199.686 cw(c160.906,197.89) 163.446,197.89 163.446,166.08 ccw(c165.752,166.08) 164.122,164.449 182.135,146.435 ccw(c183.766,148.066) 183.766,145.76 187.981,145.76 cw(c187.981,143.22) 189.777,145.016 194.007,140.786 cw(c192.211,138.99) 194.751,138.99 194.751,138.582 ccw(c196.066,138.582) C22.2@195.137,137.652
TX12+: C23.2 U1.H3 | length 123.1
  Bottom Layer w0.132: v1(128.112,210.382) 128.112,210.741 cw(c128.271,210.741) 128.158,210.854 cw(c128.271,210.741) 128.271,210.9 129.122,210.9 ccw(c129.122,213.44) 130.918,211.644 131.528,212.254 cw(c133.159,210.623) 133.159,212.929 150.05,212.929 cw(c150.05,210.623) 151.681,212.254 163.858,200.077 cw(c162.227,198.446) 164.533,198.446 164.533,168.565 164.44,168.471 164.325,168.471 164.231,168.378 164.231,168.184 164.325,168.09 164.44,168.09 164.533,167.997 164.533,167.246 ccw(c167.073,167.246) 165.277,165.45 182.937,147.79 ccw(c184.733,149.586) 184.733,147.046 190.079,147.046 cw(c190.079,144.739) 191.71,146.37 197.844,140.236 cw(c196.213,138.605) 198.52,138.605 198.52,138.577 cw(c197.211,138.577) C23.2@198.137,137.652
TX12-: C24.2 U1.H2 | length 123.1
  Bottom Layer w0.132: v1(128.112,211.652) 128.112,211.293 ccw(c128.271,211.293) 128.158,211.181 ccw(c128.271,211.293) 128.271,211.134 129.122,211.134 ccw(c129.122,213.44) 130.753,211.81 131.363,212.419 cw(c133.159,210.623) 133.159,213.163 150.05,213.163 cw(c150.05,210.623) 151.846,212.419 164.023,200.242 cw(c162.227,198.446) 164.767,198.446 164.767,167.246 ccw(c167.073,167.246) 165.442,165.615 183.102,147.955 ccw(c184.733,149.586) 184.733,147.279 190.079,147.279 cw(c190.079,144.739) 191.875,146.536 198.009,140.402 cw(c196.213,138.605) 198.753,138.605 198.753,138.577 ccw(c200.062,138.577) C24.2@199.137,137.652
TX13+: C25.2 U1.G2 | length 126.8
  Bottom Layer w0.132: v1(129.382,211.652) 129.382,212.011 cw(c129.541,212.011) 129.428,212.124 cw(c129.541,212.011) 129.541,212.17 129.631,212.17 ccw(c129.631,213.729) 130.733,212.627 131.217,213.112 cw(c132.848,211.481) 132.848,213.787 151.099,213.787 cw(c151.099,211.887) 152.443,213.231 165.291,200.382 cw(c163.66,198.751) 165.966,198.751 165.966,169.19 165.873,169.097 165.745,169.097 165.652,169.003 165.652,168.809 165.745,168.716 165.873,168.716 165.966,168.622 165.966,167.881 ccw(c168.506,167.881) 166.71,166.085 183.52,149.275 ccw(c185.316,151.071) 185.316,148.531 194.132,148.531 cw(c194.132,146.225) 195.763,147.856 201.844,141.775 cw(c200.213,140.144) 202.519,140.144 202.519,138.578 cw(c201.211,138.578) C25.2@202.136,137.652
TX13-: C26.2 U1.G1 | length 126.8
  Bottom Layer w0.132: v1(129.382,212.922) 129.382,212.563 ccw(c129.541,212.563) 129.428,212.451 ccw(c129.541,212.563) 129.541,212.404 129.631,212.404 ccw(c129.631,213.729) 130.567,212.792 131.052,213.277 cw(c132.848,211.481) 132.848,214.021 151.099,214.021 cw(c151.099,211.887) 152.608,213.396 165.456,200.547 cw(c163.66,198.751) 166.2,198.751 166.2,167.881 ccw(c168.506,167.881) 166.876,166.251 183.686,149.441 ccw(c185.316,151.071) 185.316,148.765 194.132,148.765 cw(c194.132,146.225) 195.928,148.021 202.009,141.94 cw(c200.213,140.144) 202.753,140.144 202.753,138.578 ccw(c204.062,138.578) C26.2@203.137,137.652
TX14+: C27.2 U1.J2 | length 141.6
  Bottom Layer w0.132: v1(126.842,211.652) 126.842,212.011 cw(c127.001,212.011) 126.888,212.124 cw(c127.001,212.011) 127.001,212.17 127.092,212.17 ccw(c127.092,213.802) 128.245,212.648 129.82,214.222 cw(c131.45,212.592) 131.45,214.898 152.461,214.898 cw(c152.461,212.592) 154.092,214.222 166.797,201.517 cw(c165.167,199.886) 167.473,199.886 167.473,170.245 167.38,170.152 167.31,170.152 167.217,170.058 167.217,169.864 167.31,169.771 167.38,169.771 167.473,169.677 167.473,169.088 ccw(c170.013,169.088) 168.217,167.292 174.12,161.389 ccw(c175.916,163.185) 175.916,160.645 198.764,160.645 cw(c198.764,158.339) 200.395,159.97 205.841,154.524 cw(c204.21,152.893) 206.517,152.893 206.517,138.57 cw(c205.219,138.57) C27.2@206.137,137.652
TX14-: C28.2 U1.J1 | length 141.6
  Bottom Layer w0.132: v1(126.842,212.922) 126.842,212.564 ccw(c127.001,212.564) 126.888,212.451 ccw(c127.001,212.564) 127.001,212.404 127.092,212.404 ccw(c127.092,213.802) 128.08,212.813 129.654,214.388 cw(c131.45,212.592) 131.45,215.132 152.461,215.132 cw(c152.461,212.592) 154.257,214.388 166.963,201.682 cw(c165.167,199.886) 167.707,199.886 167.707,169.088 ccw(c170.013,169.088) 168.382,167.457 174.285,161.554 ccw(c175.916,163.185) 175.916,160.879 198.764,160.879 cw(c198.764,158.339) 200.56,160.135 206.006,154.689 cw(c204.21,152.893) 206.75,152.893 206.75,138.57 ccw(c208.048,138.57) C28.2@207.13,137.652
TX15+: C29.2 U1.K3 | length 149.8
  Bottom Layer w0.132: v1(125.572,210.382) 125.572,210.741 cw(c125.731,210.741) 125.618,210.854 cw(c125.731,210.741) 125.731,210.9 ccw(c125.731,211.293) 126.009,211.016 ccw(c125.286,211.739) 126.309,211.739 126.309,212.686 cw(c128.615,212.686) 126.984,214.317 128.337,215.67 cw(c129.968,214.039) 129.968,216.345 154.366,216.345 cw(c154.366,214.039) 155.997,215.67 169.057,202.609 cw(c167.427,200.979) 169.733,200.979 169.733,172.474 169.639,172.381 169.52,172.381 169.426,172.288 169.426,172.093 169.52,172 169.639,172 169.733,171.907 169.733,170.784 ccw(c172.273,170.784) 170.477,168.988 175.223,164.242 ccw(c177.019,166.038) 177.019,163.498 200.354,163.498 cw(c200.354,161.192) 201.985,162.823 209.844,154.963 cw(c208.214,153.332) 210.52,153.332 210.52,138.577 cw(c209.212,138.577) C29.2@210.137,137.652
TX15-: C30.2 U1.K2 | length 149.8
  Bottom Layer w0.132: v1(125.572,211.652) 125.551,211.631 125.551,211.315 125.572,211.293 ccw(c125.731,211.293) 125.618,211.181 ccw(c125.731,211.293) 125.731,211.134 ccw(c125.731,211.293) 125.844,211.181 ccw(c125.286,211.739) 126.075,211.739 126.075,212.686 cw(c128.615,212.686) 126.819,214.482 128.172,215.835 cw(c129.968,214.039) 129.968,216.579 154.366,216.579 cw(c154.366,214.039) 156.162,215.835 169.223,202.775 cw(c167.427,200.979) 169.967,200.979 169.967,170.784 ccw(c172.273,170.784) 170.642,169.153 175.388,164.407 ccw(c177.019,166.038) 177.019,163.732 200.354,163.732 cw(c200.354,161.192) 202.15,162.988 210.01,155.128 cw(c208.214,153.332) 210.754,153.332 210.754,138.577 ccw(c212.062,138.577) C30.2@211.137,137.652
pads on no net: F1.A5 F1.A6 F1.A7 F1.A8 F1.A19 F1.A32 F1.A33 F1.A50 F1.B5 F1.B6 F1.B9 F1.B10 F1.B11 F1.B12 F1.B30 F1.B82 U1.A15 U1.A16 U1.B16 U1.B17 U1.C15 U1.C16 U1.D16 U1.D17 U1.G16 U1.G17 U1.H15 U1.H16 U1.J16 U1.J17 U1.K15 U1.K16 U9.MH2 U9.MH3 U9.MH6 U9.MH7 U107.6

## Polygon pours and split planes (outlines as drawn)
GND on 内层4 (solid): 106.438,235.24 223.052,235.24 223.052,133.464 106.438,133.464
GND on Inner1 (solid): 118.146,229.085 220.913,229.085 220.913,133.464 118.146,133.464
GND on Bottom Layer (solid, remove dead copper, pour order 4): 107.485,236.686 230.278,236.686 230.278,134.111 107.485,134.111
GND on Top Layer (solid, remove dead copper, pour order 0): 118.104,230.799 222.959,230.799 222.959,133.471 118.104,133.471
GND on Inner2 (solid, remove dead copper): 108.978,233.778 218.853,233.778 218.853,133.554 108.978,133.554
+1V8 on Inner3 (solid): 176.398,225.352 183.829,225.352 183.829,222.488 176.398,222.488
GND on Inner3 (solid, remove dead copper): 110.233,232.125 228.51,232.125 228.51,134.108 110.233,134.108
+12V on Top Layer (solid, remove dead copper, pour order 2): 128.989,137.983 130.948,137.983 cw(c130.948,137.221) 131.71,137.221 131.71,133.616 cw(c130.948,133.616) 130.948,132.854 128.989,132.854 cw(c128.989,133.616) 128.227,133.616 128.227,137.221 cw(c128.989,137.221)
+12V on Bottom Layer (solid, remove dead copper, pour order 6): 130.457,137.938 130.89,137.938 cw(c130.89,137.176) 131.652,137.176 131.652,133.631 cw(c130.89,133.631) 130.89,132.869 130.457,132.869 cw(c130.457,133.631) 129.695,133.631 129.695,137.176 cw(c130.457,137.176)
PRSNT1 on Bottom Layer (solid, remove dead copper, pour order 8): 128.284,138.478 131.383,138.478 cw(c131.383,137.716) 132.145,137.716 132.145,132.575 cw(c131.383,132.575) 131.383,131.813 128.284,131.813 cw(c128.284,132.575) 127.522,132.575 127.522,137.716 cw(c128.284,137.716)
+12V on Inner3 (solid, remove dead copper): 122.968,188.188 141.25,188.188 141.25,188.179 188.65,217.218 cw(c189.247,216.244) 189.247,217.387 207.206,217.387 cw(c207.206,216.244) 208.349,216.244 208.349,178.358 cw(c207.206,178.358) 207.206,177.215 189.287,177.215 ccw(c189.287,176.072) 188.692,177.048 141.522,148.267 cw(c140.927,149.243) 140.932,148.1 122.973,148.022 cw(c122.968,149.165) 121.825,149.165 121.825,187.045 cw(c122.968,187.045)
+5V on Inner3 (solid, remove dead copper): 147.293,218.04 135.504,195.191 ccw(c136.181,194.842) 135.419,194.842 135.419,189.001 cw(c134.657,189.001) 134.657,188.239 124.06,188.239 cw(c124.06,189.001) 123.298,189.01 123.369,195.099 123.382,195.119 135.266,218.205 135.247,218.205 135.247,224.323 cw(c136.009,224.323) 136.009,225.085 146.616,225.085 cw(c146.616,224.323) 147.378,224.323 147.378,218.39 cw(c146.616,218.39)
+12V on Inner3 (solid, remove dead copper): 157.028,217.127 147.148,188.288 ccw(c147.869,188.042) 147.107,188.041 147.116,181.174 cw(c146.354,181.173) 146.354,180.411 141.933,180.411 cw(c141.933,181.173) 141.171,181.173 141.171,188.162 141.174,188.164 151.153,217.266 151.131,217.263 151.124,224.236 cw(c151.886,224.237) 151.886,224.999 156.307,224.999 cw(c156.307,224.237) 157.069,224.237 157.069,217.374 cw(c156.307,217.374)
+12V on Inner3 (solid, remove dead copper): 121.946,144.682 121.981,148.719 cw(c122.743,148.712) 122.743,149.474 124.516,149.474 cw(c124.516,148.712) 125.278,148.712 125.278,144.745 ccw(c126.04,144.745) 125.658,144.086 132.242,140.275 132.241,140.274 132.232,135.778 cw(c131.231,135.748) 131.47,134.776 129.702,134.776 cw(c129.941,135.748) 128.94,135.78 128.94,139.753 ccw(c128.178,139.753) 128.56,140.412 122.326,144.015 cw(c122.708,144.675)

## Keep-outs
Top Layer:
  circle w0.254: c150.065,211.316 r0.603
  circle w0.254: c145.164,203.929 r0.449
  region: 192.867,158.888 200.566,158.888 200.566,149.356 192.867,149.356
  region: 124.208,214.192 138.333,214.192 138.333,162.267 124.208,162.267
  region: 125.774,138.46 131.417,138.46 cw(c131.417,137.698) 132.179,137.698 132.179,133.179 cw(c131.417,133.179) 131.417,132.417 125.774,132.417 cw(c125.774,133.179) 125.012,133.179 125.012,137.698 cw(c125.774,137.698)
  region: 141.427,134.626 212.795,134.626 212.795,129.357 141.427,129.357
  region: 135.442,214.592 135.442,212.763 135.225,212.238 146.283,212.238 151.266,210.175 151.266,212.042 151.23,212.13 143.974,215.135 136.754,215.135
  region: 145.738,203.637 145.738,204.441 145.231,205.664 143.92,206.208 134.006,206.208 133.608,205.246 133.608,204.469 135.618,203.637
Bottom Layer:
  circle w0.254: c144.706,204.231 r1.036
  circle w0.254: c196.94,153.753 r4.723
  circle w0.254: c130.53,215.651 r0.531
  region: 125.071,213.883 138.374,213.883 138.374,162.038 125.071,162.038
  region: 149.695,211.57 150.339,211.57 150.339,210.926 149.695,210.926
  region: 132.33,215.742 149.47,215.742 158.537,211.986 166.314,204.21 168.334,199.331 168.416,199.134 168.416,169.858 169.051,168.325 175.519,161.857 195.699,161.857 196.093,162.021 202.922,159.192 208.752,153.362 209.156,152.387 209.156,136.044 209.319,135.65 209.204,135.371 208.176,134.344 191.009,134.344 189.235,135.079 169.413,135.079 166.457,136.303 148.141,136.303 147.352,135.977 148.087,137.751 148.087,195.249 144.739,203.333
Board Outline Layer:
  region: 144.39,135.253 144.013,134.876 143.258,134.876 142.881,135.253 143.258,135.63 144.013,135.63
  lines w0.254: 212.77,135.404 212.773,135.404 212.773,138.715 ; 212.77,138.715 212.773,138.715 ; 128.426,138.715 128.426,138.687 128.485,138.687 128.485,138.715 128.426,138.715 ; 128.426,138.715 120.085,138.715 120.085,227.288 216.077,227.288 216.077,138.715 212.773,138.715

## Other copper
Top Layer:
  drawing of 239 lines, arcs and shapes, not listed
  text "002" at 209.392,223.482 h3.05
Inner2:
  region net I2CADDR1: 134.464,191.645 134.742,191.565 134.708,191.53 134.681,191.494 134.671,191.475 134.666,191.455 134.666,191.435 134.672,191.412 134.356,191.531 134.385,191.553 134.413,191.584
  region net PWR_EN: 137.333,191.423 137.278,191.169 137.196,191.167 137.158,191.159 137.121,191.142 137.176,191.475 137.191,191.46 137.208,191.448 137.246,191.432 137.289,191.425
  region net THERM_OVER#: 137.337,190.147 137.273,189.893 137.192,189.892 137.154,189.885 137.116,189.869 137.179,190.2 137.194,190.185 137.211,190.172 137.25,190.156 137.293,190.149
  region net I2CADDR0: 172.007,224.774 171.889,225.028 171.936,225.029 171.98,225.036 172,225.043 172.018,225.053 172.033,225.067 172.046,225.085 172.164,224.77 172.121,224.781 172.087,224.782 172.052,224.777
  region net I2CADDR1: 171.996,223.349 171.929,223.603 171.976,223.601 172.018,223.601 172.037,223.604 172.055,223.611 172.071,223.622 172.086,223.639 172.153,223.322 172.116,223.339 172.078,223.347
  region net PRSNT2: 125.573,148.39 125.621,148.136 125.578,148.134 125.535,148.127 125.496,148.111 125.479,148.1 125.464,148.085 125.416,148.419 125.452,148.401 125.491,148.393
  region net THERM_OVER#: 181.214,221.261 181.214,221.515 181.256,221.52 181.296,221.532 181.334,221.551 181.372,221.576 181.408,221.607 181.443,221.642 181.512,221.72 181.646,221.887 181.713,221.961 181.747,221.992 181.781,222.019 181.608,220.68 181.585,220.71 181.563,220.747 181.52,220.832 181.436,221.025 181.39,221.116 181.366,221.156 181.339,221.191 181.311,221.22 181.281,221.242 181.249,221.257
  region net PWR_EN: 176.935,221.023 176.632,221.277 176.698,221.281 176.756,221.291 176.809,221.307 176.856,221.329 176.898,221.356 176.937,221.388 176.972,221.424 177.005,221.465 177.066,221.555 177.125,221.656 177.189,221.765 177.262,221.876 177.565,220.561 177.525,220.585 177.487,220.614 177.411,220.682 177.261,220.835 177.185,220.907 177.146,220.939 177.106,220.967 177.065,220.991 177.023,221.008 176.98,221.019
Inner3:
  region net +1V8: 176.938,223.592 176.938,224.1 ccw(c176.551,224.481) 177.094,224.481 177.094,223.211 ccw(c176.551,223.211)
Bottom Layer:
  drawing of 251 lines, arcs and shapes, not listed

## Text inside footprints (layer, text, board x,y; h text height)
U9: Mechanical Layer "27.3" at 76.2,232.746 h4.57 r180; Mechanical Layer "26.8" at 76.2,224.371 h4.57 r180; Mechanical Layer "41.7" at 76.2,148.207 h4.57 r180; Mechanical Layer "41.2" at 76.2,156.371 h4.57 r180; Mechanical Layer "129.25" at 90.757,249.203 h4.69 r180; Mechanical Layer "129.25" at 97.337,135.643 h4.69 r180; Mechanical Layer "126.75" at 119.03,241.811 h4.69 r180; Mechanical Layer "96.6" at 129.146,249.135 h4.57 r180; Mechanical Layer "96.6" at 129.987,135.575 h4.57 r180; Mechanical Layer "30.9" at 194.846,249.135 h4.57 r180; Mechanical Layer "30.9" at 195.687,135.575 h4.57 r180; Mech6 "68.898" at 209.193,146.652 h1.52 r180; Mech6 "1.75" at 210.45,144.105 h1.5 r180; Mech6 "246.063" at 208.85,141.04 h1.52 r180; Mech6 "6.25" at 210.755,138.492 h1.5 r180; Mech6 "1597.244" at 210.971,121.991 h1.52 r180; Mech6 "3422.441" at 210.971,113.838 h1.52 r180; Mech6 "3803.150" at 211.428,106.726 h1.52 r180; Mech6 "86.93" at 212.876,111.292 h1.51 r180; Mech6 "4990.158" at 211.656,93.416 h1.52 r180; Mech6 "40.57" at 212.876,119.446 h1.51 r180; Mech6 "4178.346" at 211.656,99.843 h1.52 r180; Mech6 "106.13" at 212.914,97.3 h1.52 r180; Mech6 "5088.583" at 211.656,86.99 h1.52 r180; Mech6 "129.25" at 212.914,84.447 h1.52 r180; Mech6 "126.75" at 212.914,90.873 h1.52 r180; Mech6 "1216.535" at 212.215,128.087 h1.52 r180; Mech6 "96.6" at 213.981,104.177 h1.5 r180; Mech6 "5265.748" at 212.012,80.259 h1.52 r180; Mech6 "133.75" at 213.269,77.716 h1.52 r180; Mech6 "30.9" at 214.768,125.538 h1.5 r180; Mech6 "835.827" at 213.549,134.284 h1.52 r180; Mech6 "21.23" at 214.806,131.739 h1.51 r180; Mechanical Layer "0" at 221.854,249.324 h4.92 r180; Mechanical Layer "1.75" at 227.496,249.135 h4.57 r180; Mechanical Layer "1.75" at 228.337,135.575 h4.57 r180; Mech6 "22.2" at 239.232,209.88 h1.5 r90; Mech6 "36.6" at 239.232,179.4 h1.5 r90; Mech6 "874.016" at 241.781,211.785 h1.52 r90; Mech6 "1440.945" at 241.782,181.953 h1.52 r90; Mech6 "41.2" at 245.201,180.543 h1.5 r90; Mech6 "26.8" at 245.43,209.194 h1.5 r90; Mech6 "1622.047" at 247.751,183.096 h1.52 r90; Mech6 "1055.118" at 247.98,211.747 h1.52 r90; Mech6 "31.8" at 251.196,209.372 h1.5 r90; Mech6 "46.2" at 251.348,180.264 h1.5 r90; Mech6 "1251.969" at 253.745,211.925 h1.52 r90; Mech6 "1818.898" at 253.898,182.817 h1.52 r90; Mechanical Layer "41.2" at 252.601,156.371 h4.57 r180; Mechanical Layer "41.7" at 252.601,147.825 h4.57 r180; Mechanical Layer "26.8" at 252.601,224.371 h4.57 r180; Mechanical Layer "27.3" at 252.601,232.727 h4.57 r180